# KiCad board data-center-rdimm-ddr5-tester.kicad_pcb (continued)
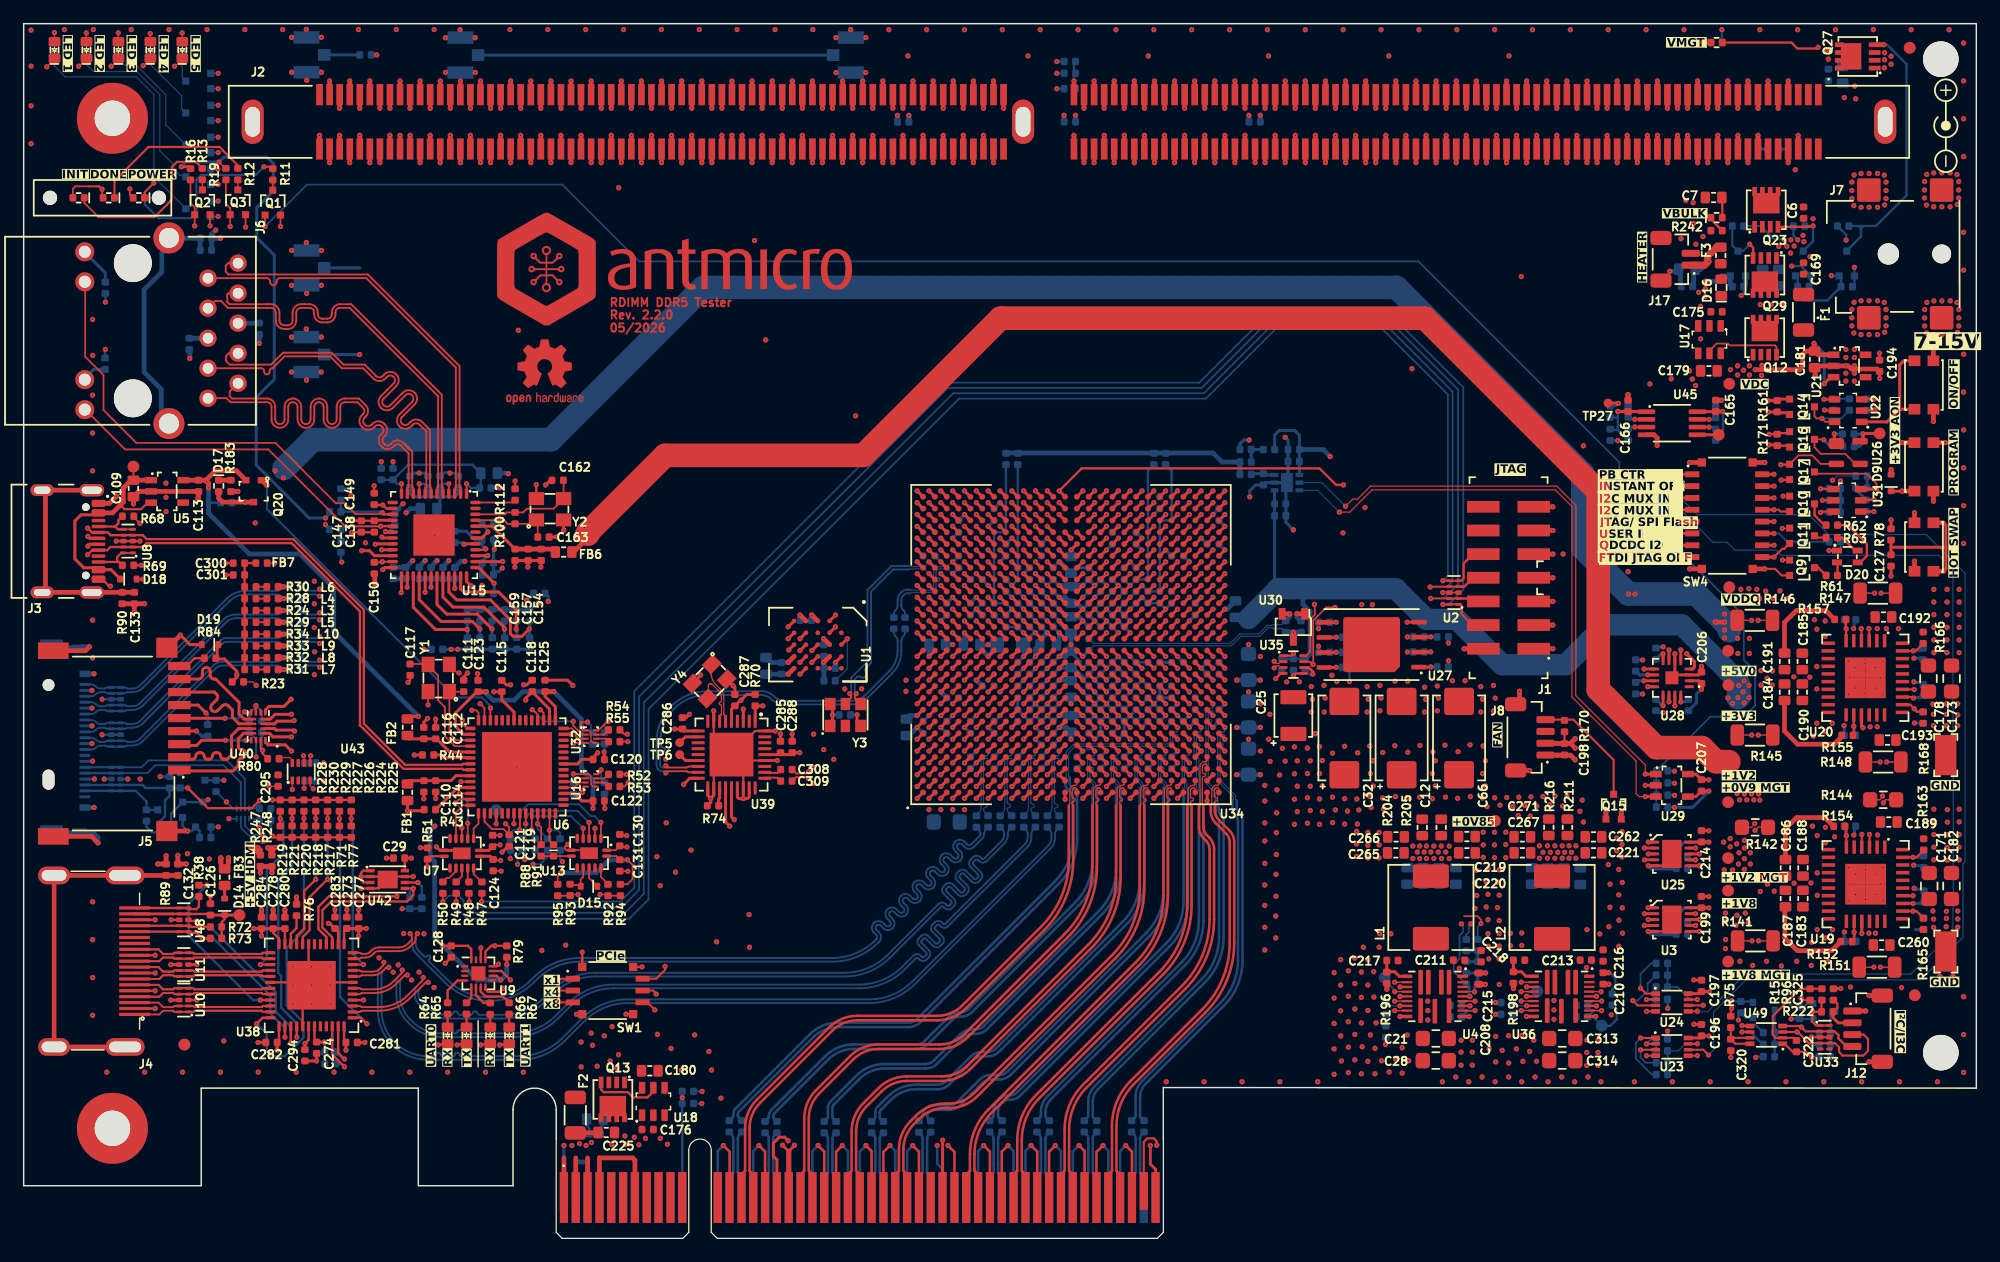
[diagram p0: board, top side]
## Routing (per net, layer and track width the routed paths; a pad name or vN(x,y) marks a point on that pad's centre or on a via; arc(x,y) is an arc through that point) (continued)
/FPGA MGT Interface/PCIE.RXD7_N: length 39.9
  Top w0.1: 100.69,36.6 100.63,36.66 arc(100.61,36.69) 100.6,36.73 100.6,36.82 arc(100.64,36.92) 100.73,36.96 arc(100.83,37) 100.87,37.09 100.87,37.12 arc(100.83,37.22) 100.73,37.26 arc(100.64,37.3) 100.6,37.39 100.6,37.92 arc(100.61,37.96) 100.63,37.99 100.71,38.07 arc(100.74,38.09) 100.78,38.1 100.86,38.1 arc(100.9,38.09) 100.93,38.07 100.97,38.03 arc(100.99,38) 101,37.96 U34.AF1
  Top w0.22: J10.B46 92.65,5.4 92.34,5.71 92.34,9.5 arc(92.72,11.41) 93.8,13.04 99.84,19.07 arc(101.65,21.79) 102.29,24.99 102.29,33.51 arc(102.18,34.04) 101.89,34.48 100.98,35.39 arc(100.77,35.71) 100.69,36.09 100.69,36.6
/FPGA MGT Interface/PCIE.RXD7_P: length 39.9
  Top w0.1: U34.AF2 101,38.44 arc(100.99,38.4) 100.97,38.37 100.93,38.33 arc(100.9,38.31) 100.86,38.3 100.74,38.3 arc(100.66,38.28) 100.6,38.24 100.46,38.1 arc(100.42,38.04) 100.4,37.96 100.4,36.73 arc(100.39,36.69) 100.37,36.66 100.31,36.6
  Top w0.22: 100.31,36.6 100.31,36.09 arc(100.42,35.56) 100.71,35.12 101.62,34.21 arc(101.83,33.89) 101.91,33.51 101.91,24.99 arc(101.3,21.93) 99.57,19.34 93.54,13.3 arc(92.37,11.56) 91.96,9.5 91.96,5.71 91.65,5.4 J10.B45
/FPGA MGT Interface/PCIE.TXD0_N: length 5.8
  Bottom w0.22: J10.A17 63.65,5.25 63.34,5.56 63.34,8.42 arc(63.38,8.64) 63.51,8.83 63.67,8.99
/FPGA MGT Interface/PCIE.TXD0_P: length 5.8
  Bottom w0.22: 62.62,8.99 62.79,8.82 arc(62.92,8.64) 62.96,8.42 62.96,5.56 62.65,5.25 J10.A16
/FPGA MGT Interface/PCIE.TXD1_N: length 5.8
  Bottom w0.22: 68.67,8.99 68.51,8.83 arc(68.38,8.64) 68.34,8.42 68.34,5.56 68.65,5.25 J10.A22
/FPGA MGT Interface/PCIE.TXD1_P: length 5.8
  Bottom w0.22: 67.62,8.99 67.79,8.82 arc(67.92,8.64) 67.96,8.42 67.96,5.56 67.65,5.25 J10.A21
/FPGA MGT Interface/PCIE.TXD2_N: length 5.8
  Bottom w0.22: J10.A26 72.65,5.25 72.34,5.56 72.34,8.42 arc(72.38,8.64) 72.51,8.83 72.67,8.99
/FPGA MGT Interface/PCIE.TXD2_P: length 5.8
  Bottom w0.22: J10.A25 71.65,5.25 71.96,5.56 71.96,8.42 arc(71.92,8.64) 71.79,8.82 71.62,8.99
/FPGA MGT Interface/PCIE.TXD3_N: length 5.8
  Bottom w0.22: J10.A30 76.65,5.25 76.34,5.56 76.34,8.42 arc(76.38,8.64) 76.51,8.83 76.67,8.99
/FPGA MGT Interface/PCIE.TXD3_P: length 5.8
  Bottom w0.22: 75.62,8.99 75.79,8.82 arc(75.92,8.64) 75.96,8.42 75.96,5.56 75.65,5.25 J10.A29
/FPGA MGT Interface/PCIE.TXD4_N: length 5.8
  Bottom w0.22: J10.A36 82.65,5.25 82.34,5.56 82.34,8.42 arc(82.38,8.64) 82.51,8.83 C257.1
/FPGA MGT Interface/PCIE.TXD4_P: length 5.8
  Bottom w0.22: C256.1 81.79,8.82 arc(81.92,8.64) 81.96,8.42 81.96,5.56 81.65,5.25 J10.A35
/FPGA MGT Interface/PCIE.TXD5_N: length 5.8
  Bottom w0.22: C250.2 86.51,8.83 arc(86.38,8.64) 86.34,8.42 86.34,5.56 86.65,5.25 J10.A40
/FPGA MGT Interface/PCIE.TXD5_P: length 5.8
  Bottom w0.22: J10.A39 85.65,5.25 85.96,5.56 85.96,8.42 arc(85.92,8.64) 85.79,8.82 C255.1
/FPGA MGT Interface/PCIE.TXD6_N: length 5.8
  Bottom w0.22: C254.1 90.51,8.83 arc(90.38,8.64) 90.34,8.42 90.34,5.56 90.65,5.25 J10.A44
/FPGA MGT Interface/PCIE.TXD6_P: length 5.8
  Bottom w0.22: J10.A43 89.65,5.25 89.96,5.56 89.96,8.42 arc(89.92,8.64) 89.79,8.82 C253.1
/FPGA MGT Interface/PCIE.TXD7_N: length 5.8
  Bottom w0.22: J10.A48 94.65,5.25 94.34,5.56 94.34,8.42 arc(94.38,8.64) 94.51,8.83 C252.1
/FPGA MGT Interface/PCIE.TXD7_P: length 5.8
  Bottom w0.22: J10.A47 93.65,5.25 93.96,5.56 93.96,8.42 arc(93.92,8.64) 93.79,8.82 C251.1
/FPGA MGT Interface/XA: length 5.2
  Top w0.1: Y4.1 58.11,48.51 58.09,48.49 58.09,48.47 58.08,48.46 58.08,48.45 58.08,47.78 58.09,47.63 58.12,47.48 58.17,47.34 58.22,47.2 58.29,47.07 58.38,46.94 58.47,46.83 58.86,46.44 arc(59.08,46.11) 59.16,45.71 59.16,44.38 59.16,44.35 59.17,44.33 59.17,44.3 59.18,44.28 59.2,44.26 59.21,44.24 59.23,44.22 59.24,44.2 59.26,44.18 59.27,44.16 59.29,44.14 59.3,44.12 59.3,44.09 59.31,44.07 59.31,44.04 U39.6
/FPGA MGT Interface/XB: length 5.2
  Top w0.1: Y4.3 57.82,45.68 57.83,45.69 57.83,45.7 57.84,45.71 57.84,45.72 57.85,45.73 57.85,45.74 57.85,45.75 57.85,46.71 57.85,46.73 57.86,46.74 57.86,46.76 57.87,46.78 57.88,46.8 57.89,46.82 57.9,46.83 57.92,46.85 57.94,46.86 57.95,46.87 57.97,46.88 57.98,46.89 58,46.89 58.02,46.9 58.04,46.9 58.05,46.9 58.07,46.9 58.09,46.89 58.1,46.89 58.12,46.88 58.14,46.87 58.15,46.86 58.16,46.85 58.69,46.33 arc(58.89,46.03) 58.96,45.67 58.96,45.42 arc(58.93,45.35) 58.86,45.32 arc(58.8,45.3) 58.77,45.23 58.77,45.22 arc(58.8,45.15) 58.86,45.12 arc(58.93,45.1) 58.96,45.03 58.96,44.38 58.96,44.35 58.95,44.33 58.95,44.3 58.94,44.28 58.92,44.26 58.91,44.24 58.89,44.22 58.88,44.2 58.86,44.18 58.85,44.16 58.83,44.14 58.82,44.12 58.82,44.09 58.81,44.07 58.81,44.04 U39.7
/HDMI + SD Card/EQ_SEL: length 12.5
  Top w0.201: v1(24.68,30.35) 23.71,29.37 23.71,26.2 23.08,25.57 U38.21 ; R227.1 R218.2
  Bottom w0.201: v1(24.68,35.49) v1(24.68,30.35)
/HDMI + SD Card/HDMI0.HPD: length 6.4
  Top w0.201: 13.92,27.83 13.92,27.83 14.6,27.83 14.81,28.04 R38.2 ; 9.38,27.93 13.92,27.93
/HDMI + SD Card/HDMI_5V: length 0.9
  Top w0.256: D14.2 16.98,29.65
/HDMI + SD Card/HDMI_CONN_5V: length 11
  Top w0.201: U48.4 13.92,27.42 15.69,27.42 15.78,27.33 ; 12.62,27.43 12.62,27.43 U48.7 ; D14.1 16.98,26.98 16.74,26.74 R72.2 R73.2
  Top w0.256: 9.38,27.43 12.62,27.43 ; TP2.1 D14.1 15.78,27.33 ; U48.7 U48.4
/HDMI + SD Card/HDMI_IN_5V: length 23.3
  Top w0.201: v1(13.86,38.08) 15.57,36.37 19.28,36.37 v1(19.93,37.02)
  Bottom w0.15: U44.8 19.94,36.34 ; v1(19.93,37.02) C93.1
  Bottom w0.201: U47.4 10.05,38.33 10.3,38.08 R85.2 ; R81.2 10.38,34.8 10.85,34.33 R82.2 11.5,35.24 11.94,35.68 11.94,37.02 12.33,37.41 R85.2 ; v1(13.86,38.08) Q21.1 R85.2 ; 8.19,38.33 8.19,38.33 J11.3
/HDMI + SD Card/HDMI_IN_5V.SCL: length 16.3
  Bottom w0.15: U44.6 18.35,38.54 16.89,40 11.12,40 10.45,39.33 U47.2
  Bottom w0.201: J11.5 8.19,39.33
/HDMI + SD Card/HDMI_IN_5V.SDA: length 16.9
  Bottom w0.15: U44.7 18.7,38.87 17.16,40.41 10.55,40.41 9.97,39.83 U47.1
  Bottom w0.201: J11.6 8.19,39.83
/HDMI + SD Card/HDMI_IN_HPD_CONN: length 7.2
  Bottom w0.201: 8.19,37.83 8.19,37.83 J11.2 ; U47.5 9.48,37.83 10.38,36.93 R81.1 Q18.3
/HDMI + SD Card/HDMI_OUT_C.SCL: length 19.3
  Top w0.201: 13.92,25.83 14.62,25.83 v1(15.09,25.36) R73.1 ; 9.38,25.93 U48.1 ; U38.38 v1(22.08,17.01)
  Bottom w0.201: v1(15.09,25.36) 16.03,25.36 20.85,20.55 20.85,19.01 22.08,17.78 v1(22.08,17.01)
/HDMI + SD Card/HDMI_OUT_C.SDA: length 21.1
  Top w0.201: 9.38,26.43 U48.2 ; U38.39 v1(22.58,16.52) ; 13.92,26.33 R72.1
  Bottom w0.201: v1(22.58,16.52) 22.58,17.88 21.31,19.15 21.31,20.8 15.78,26.33 v1(15.09,26.33)
/HDMI + SD Card/HDMI_OUT_CONN_CLK_N: length 23.5
  Top w0.15: 13.15,24.15 13.92,24.15 13.15,24.15
  Top w0.16: 20.21,24.15 U38.25 20.21,24.15 ; 20.21,24.15 20.12,24.05 ; 20.21,24.15 20.12,24.05 ; 11.4,24.43 9.38,24.43 11.4,24.43 ; 11.4,24.43 11.78,24.05 ; 11.4,24.43 11.78,24.05 ; 11.78,24.05 12.63,24.05 ; 11.78,24.05 12.63,24.05 ; 12.63,24.05 12.72,24.15 ; 12.63,24.05 12.72,24.15 ; 14.33,24.15 13.92,24.15 14.33,24.15 ; 14.33,24.15 14.42,24.05 ; 14.33,24.15 14.42,24.05 ; 14.42,24.05 20.12,24.05 ; 14.42,24.05 20.12,24.05 ; 12.72,24.15 13.15,24.15 12.72,24.15
/HDMI + SD Card/HDMI_OUT_CONN_CLK_P: length 23.4
  Top w0.15: 13.92,23.65 13.15,23.65 13.92,23.65
  Top w0.16: 11.46,23.43 9.38,23.43 11.46,23.43 ; 11.46,23.43 11.78,23.74 ; 11.46,23.43 11.78,23.74 ; 20.12,23.74 20.21,23.65 ; 20.12,23.74 14.42,23.74 ; 20.12,23.74 20.21,23.65 ; 20.12,23.74 14.42,23.74 ; 20.21,23.65 U38.26 20.21,23.65 ; 14.33,23.65 14.42,23.74 ; 14.33,23.65 13.92,23.65 14.33,23.65 ; 14.33,23.65 14.42,23.74 ; 11.78,23.74 12.64,23.74 ; 11.78,23.74 12.64,23.74 ; 12.64,23.74 12.73,23.65 ; 12.64,23.74 12.73,23.65 ; 12.73,23.65 13.15,23.65 12.73,23.65
/HDMI + SD Card/HDMI_OUT_CONN_D0_N: length 23.5
  Top w0.15: U11.9 U11.2 U11.9
  Top w0.16: 20.12,22.55 20.21,22.65 ; 20.12,22.55 20.21,22.65 ; 20.12,22.55 14.42,22.55 ; 20.12,22.55 14.42,22.55 ; 20.21,22.65 U38.28 20.21,22.65 ; 14.33,22.65 14.42,22.55 ; 14.33,22.65 U11.2 14.33,22.65 ; 14.33,22.65 14.42,22.55 ; 11.78,22.55 12.63,22.55 ; 11.78,22.55 11.4,22.93 ; 11.78,22.55 11.4,22.93 ; 11.78,22.55 12.63,22.55 ; 12.63,22.55 12.72,22.65 ; 12.63,22.55 12.72,22.65 ; 11.4,22.93 9.38,22.93 11.4,22.93 ; 12.72,22.65 U11.9 12.72,22.65
/HDMI + SD Card/HDMI_OUT_CONN_D0_P: length 23.4
  Top w0.15: U11.1 U11.10 U11.1
  Top w0.16: 11.46,21.93 9.38,21.93 11.46,21.93 ; 11.46,21.93 11.78,22.24 ; 11.46,21.93 11.78,22.24 ; 12.64,22.24 12.73,22.15 ; 12.64,22.24 11.78,22.24 ; 12.64,22.24 11.78,22.24 ; 12.64,22.24 12.73,22.15 ; 12.73,22.15 U11.10 12.73,22.15 ; 20.12,22.24 20.21,22.15 ; 20.12,22.24 14.42,22.24 ; 20.12,22.24 14.42,22.24 ; 20.12,22.24 20.21,22.15 ; 20.21,22.15 U38.29 20.21,22.15 ; 14.42,22.24 14.33,22.15 ; 14.42,22.24 14.33,22.15 ; 14.33,22.15 U11.1 14.33,22.15
/HDMI + SD Card/HDMI_OUT_CONN_D1_N: length 23.5
  Top w0.15: 13.15,21.15 13.92,21.15 13.15,21.15
  Top w0.16: 12.72,21.15 13.15,21.15 12.72,21.15 ; 12.72,21.15 12.63,21.05 ; 12.72,21.15 12.63,21.05 ; 20.21,21.15 U38.31 20.21,21.15 ; 20.21,21.15 20.12,21.05 ; 20.21,21.15 20.12,21.05 ; 14.33,21.15 14.42,21.05 ; 14.33,21.15 13.92,21.15 14.33,21.15 ; 14.33,21.15 14.42,21.05 ; 14.42,21.05 20.12,21.05 ; 14.42,21.05 20.12,21.05 ; 12.63,21.05 11.78,21.05 ; 12.63,21.05 11.78,21.05 ; 11.4,21.43 9.38,21.43 11.4,21.43 ; 11.4,21.43 11.78,21.05 ; 11.4,21.43 11.78,21.05
/HDMI + SD Card/HDMI_OUT_CONN_D1_P: length 23.4
  Top w0.15: 13.92,20.65 13.15,20.65 13.92,20.65
  Top w0.16: 14.33,20.65 13.92,20.65 14.33,20.65 ; 14.33,20.65 14.42,20.74 ; 14.33,20.65 14.42,20.74 ; 20.21,20.65 U38.32 20.21,20.65 ; 20.21,20.65 20.12,20.74 ; 20.21,20.65 20.12,20.74 ; 11.46,20.43 9.38,20.43 11.46,20.43 ; 11.46,20.43 11.78,20.74 ; 11.46,20.43 11.78,20.74 ; 12.64,20.74 12.73,20.65 ; 12.64,20.74 12.73,20.65 ; 12.64,20.74 11.78,20.74 ; 12.64,20.74 11.78,20.74 ; 12.73,20.65 13.15,20.65 12.73,20.65 ; 14.42,20.74 20.12,20.74 ; 14.42,20.74 20.12,20.74
/HDMI + SD Card/HDMI_OUT_CONN_D2_N: length 18.8
  Top w0.15: U10.9 U10.2
  Top w0.16: 14.42,19.55 20.12,19.55 ; 14.42,19.55 14.33,19.65 ; 14.42,19.55 14.33,19.65 ; 14.42,19.55 20.12,19.55 ; 20.12,19.55 20.21,19.65 ; 20.12,19.55 20.21,19.65 ; 20.21,19.65 U38.34 20.21,19.65 ; U10.9 12.72,19.65 12.63,19.55 11.78,19.55 11.4,19.93 9.38,19.93 ; 14.33,19.65 U10.2 14.33,19.65
/HDMI + SD Card/HDMI_OUT_CONN_D2_P: length 18.7
  Top w0.15: U10.1 U10.10
  Top w0.16: 20.21,19.15 U38.35 20.21,19.15 ; 20.21,19.15 20.12,19.24 ; 20.21,19.15 20.12,19.24 ; 14.42,19.24 20.12,19.24 ; 14.42,19.24 14.33,19.15 ; 14.42,19.24 20.12,19.24 ; 14.42,19.24 14.33,19.15 ; 14.33,19.15 U10.1 14.33,19.15 ; 9.38,18.93 11.46,18.93 11.78,19.24 12.64,19.24 12.73,19.15 U10.10
/HDMI + SD Card/HDMI_VDD: length 14.5
  Top w0.201: C283.1 26.58,25.93 U38.14 ; C281.1 27.08,16.72 U38.48 ; U38.37 21.58,16.72 C282.1 ; C278.1 21.09,25.84 21.58,25.35 U38.24 ; U38.23 C280.1
  Top w0.256: 25.79,26.68 25.83,26.68 ; C284.2 v1(20.1,25.57) ; C284.2 C280.1 ; C284.2 v1(19.45,26.19) ; v1(27.23,15.91) C281.1 ; v1(21.42,15.91) C282.1 ; v1(25.75,26.63) 25.88,26.63 C283.1
  Top w0.4: v1(20.98,30.92) 20.97,30.93 R248.1 R247.1 v1(20,30.9)
/HDMI + SD Card/I2C_EN/PIN: length 14.9
  Top w0.201: U38.10 v1(28.72,23.15) ; R225.1 R77.2
  Bottom w0.201: v1(28.72,23.15) 27.81,24.06 27.81,34.75 27.68,34.87 v1(27.68,35.49)
/HDMI + SD Card/PRE_SEL: length 12.7
  Top w0.201: R226.1 R217.2 ; v1(25.68,30.35) 25.66,30.35 24.16,28.85 24.16,26.05 23.58,25.47 U38.20
  Bottom w0.201: v1(25.68,35.49) v1(25.68,30.35)
/HDMI + SD Card/SD_CLK: length 6.3
  Top w0.182: 19.22,44.48 19.22,44.48 18.72,44.48 v1(18.68,44.52)
  Top w0.256: v1(17.02,43.97) 13.18,43.97 13.16,43.98
  Bottom w0.182: v1(18.68,44.52) 18.13,43.97 v1(17.02,43.97)
/HDMI + SD Card/SD_CMD: length 6.3
  Top w0.182: v1(18.79,42.11) 19.2,42.11 U40.13
  Top w0.256: v1(17.06,42.11) 15.05,42.11 14.61,41.67 13.28,41.67 13.16,41.78
  Bottom w0.256: v1(17.06,42.11) 18.79,42.11 v1(18.79,42.11)
/HDMI + SD Card/SD_DAT0: length 9.4
  Top w0.256: U40.10 18.2,43.5 18.2,43.5 17.64,44.06 17.64,44.67 17.28,45.03 arc(17.04,45.13) 16.79,45.03 16.4,44.64 arc(16.16,44.54) 15.91,44.64 arc(15.81,44.89) 15.91,45.13 16.3,45.52 16.29,45.52 arc(16.4,45.77) 16.3,46.01 16.12,46.19 13.16,46.19
/HDMI + SD Card/SD_DAT1: length 9.4
  Top w0.256: U40.9 18.62,43.9 18.2,44.32 18.2,45.32 16.23,47.29 16.08,47.29 arc(15.85,47.38) 15.75,47.61 15.75,47.94 arc(15.66,48.17) 15.43,48.27 arc(15.2,48.17) 15.11,47.94 15.11,47.61 arc(15.01,47.38) 14.78,47.29 13.16,47.29
/HDMI + SD Card/SD_DAT2: length 9.4
  Top w0.256: U40.12 18.59,42.7 18.14,42.25 18.14,41.61 arc(18.23,41.4) 18.44,41.31 arc(18.65,41.22) 18.74,41.01 18.74,40.91 arc(18.65,40.7) 18.44,40.61 arc(18.23,40.52) 18.14,40.31 18.14,39.97 17.69,39.52 13.23,39.52 13.16,39.59
/HDMI + SD Card/SD_DAT3: length 9.4
  Top w0.256: 13.16,40.69 13.34,40.51 14.27,40.51 arc(14.47,40.59) 14.55,40.79 arc(14.63,40.98) 14.82,41.06 14.97,41.06 arc(15.17,40.98) 15.25,40.79 arc(15.33,40.59) 15.52,40.51 15.67,40.51 arc(15.87,40.59) 15.95,40.79 arc(16.03,40.98) 16.22,41.06 16.37,41.06 arc(16.57,40.98) 16.65,40.79 arc(16.73,40.59) 16.92,40.51 17.2,40.51 17.57,40.88 17.57,42.51 18.16,43.1 U40.11
/HDMI + SD Card/SLEW_CTL: length 21.8
  Top w0.201: R230.1 R221.2 ; U38.40 v1(23.08,17.01)
  Bottom w0.201: v1(22.68,35.49) 22.68,31.47 21.51,30.3 21.51,22.44 21.76,22.2 21.76,19.5 23.08,18.18 v1(23.08,17.01)
/HDMI + SD Card/SWAP/POL: length 20.9
  Top w0.201: R224.1 R71.2 ; v1(29,18.15) 28.5,18.65 U38.1
  Bottom w0.201: v1(29,18.15) 26.73,20.41 26.73,35.44 v1(26.68,35.49)
/HDMI + SD Card/TX_TERM_CTL: length 29
  Top w0.201: R229.1 R220.2 ; U38.36 20.19,18.65 v1(19.69,18.15)
  Bottom w0.201: v1(23.68,35.49) 23.68,26.01 22.23,24.56 22.23,19.68 23.65,18.26 23.65,16.98 22.08,15.41 20.88,15.41 20.54,15.75 20.54,17.3 v1(19.69,18.15)
/HDMI + SD Card/~{HDMI_SEL}: length 15.3
  Top w0.201: U38.27 v1(20.01,23.15) ; R228.1 R219.2
  Bottom w0.201: v1(20.01,23.15) 20.55,23.69 20.55,31.15 21.95,32.55 21.95,35.22 v1(21.68,35.49)
/HyperRAM + QSPI Flash/IO0: length 1.5
  Top w0.1: 110.89,52.08 v1(110.9,52.09)
  Top w0.256: U27.5 110.89,52.08
  Bottom w0.256: v1(110.9,52.09) 110.38,52.09
/HyperRAM + QSPI Flash/IO1: length 1.5
  Top w0.256: v1(118.9,49.58) 118.88,49.56 U27.2
  Bottom w0.256: 118.38,49.58 v1(118.9,49.58)
/HyperRAM + QSPI Flash/IO2: length 2.1
  Top w0.256: 117.9,50.84 118.88,50.84 v1(118.9,50.85)
  Bottom w0.256: 118.38,50.85 119.43,50.85
/HyperRAM + QSPI Flash/IO3: length 2.1
  Top w0.256: 109.9,49.53 110.89,49.53 v1(110.9,49.55)
  Bottom w0.256: 110.38,49.55 111.42,49.55
/I^{2}C + I3C/I3C_EXT.SCL: length 13.3
  Top w0.182: 148.63,17.45 v1(149.85,17.45) 149.9,17.45 150.85,16.5 U33.4 U33.7 153.05,16.5 153.4,16.15 153.4,15.75 153.7,15.45 155.45,15.45 155.85,15.85 155.85,16.85 155.47,17.22 J12.3
  Bottom w0.182: R241.1 151,16.35 149.9,17.45 v1(149.85,17.45)
/I^{2}C + I3C/I3C_EXT.SDA: length 8.5
  Top w0.177: U33.2 U33.9
  Top w0.182: U33.2 150.57,17.5 v1(150.21,17.86) 150.12,17.95 148.63,17.95 ; 152.6,17.52 U33.9
  Top w0.201: U33.9 153.02,17.5 153.35,17.17 153.35,16.9 154.03,16.22 J12.4
  Bottom w0.182: v1(150.21,17.86) 150.57,17.5 151.61,17.5 151.72,17.39
/I^{2}C + I3C/PWR.SCL: length 184.7
  Top w0.1: v1(111.7,61.9) 112.3,62.5 112.7,62.5 113.8,63.6 129.55,63.6 131.15,62 131.15,45.9 137.03,40.02 v1(137.03,39.25)
  Top w0.114: v1(126.55,21.66) U36.6 ; v1(115.85,21.65) U4.6
  Top w0.177: U24.7 v1(141.42,20.19)
  Top w0.182: U19.4 155.32,34.15 v1(155.32,34.15)
  Top w0.256: U3.9 v1(141.27,27.45) ; SW4.7 v1(140,58.6) ; v1(140.52,49.42) 141.18,48.77 141.18,48.27 141.04,48.14 U28.4 ; U25.9 v1(141.27,33) ; v1(137.03,39.25) 137.03,39.25 U29.1
  In2.Cu w0.1: v1(157.4,51.55) 157.42,51.55 158.85,50.12 158.85,40.63 156.02,37.8 156.02,34.85 v1(155.32,34.15) ; v1(140,58.6) 139,57.6 139,51.75 137.15,49.9 137.15,49.08 137.18,49.06 137.18,48.9 140,48.9 v1(140.52,49.42) 140.52,47.72 137.62,44.82 137.62,39.84 v1(137.03,39.25) 136.45,38.68 136.45,37.05 137.05,36.45 137.82,36.45 v1(141.27,33) 140.75,32.48 140.75,31.4 141.27,30.88 v1(141.27,27.45) 140.85,27.03 140.85,23.3 141.8,22.35 141.8,20.58 v1(141.42,20.19) 138.78,20.19 137.03,21.94 126.83,21.94 v1(126.55,21.66)
  In2.Cu w0.114: v1(115.85,21.65) 115.87,21.64 120.99,21.64 122.24,22.89 125.31,22.89 v1(126.55,21.66)
  In4.Cu w0.1: v1(157.4,51.55) 157.8,51.95 157.8,55.07 156.65,56.22 140.62,56.22 139.62,57.22 139.62,58.22 v1(140,58.6)
  Bottom w0.1: v1(111.7,61.9) 109.7,63.9 U12.2
  Bottom w0.15: 138.91,23.25 138.91,21.25 139.74,21.25 140.8,20.19 v1(141.42,20.19)
/I^{2}C + I3C/PWR.SDA: length 174.6
  Top w0.1: v1(111.18,61.4) 112.05,61.4 113.93,63.28 129.42,63.28 130.83,61.87 130.83,45.77 136.25,40.35 136.25,37.6 136.5,37.35 v1(137.03,37.35)
  Top w0.177: v1(141.42,16.45) 141.42,16.44 U23.7
  Top w0.182: v1(155.92,51.55) 155.95,51.53 U20.3 ; U19.3 v1(155.97,34.15)
  Top w0.256: U25.8 v1(141.6,32.5) ; v1(140.02,49.75) U28.5 ; v1(137.03,37.35) 137.03,37.35 137.92,37.35 ; U3.8 v1(141.6,26.95)
  In2.Cu w0.1: v1(155.97,34.15) 155.97,33.7 155.58,33.3 154.07,33.3 153.52,33.85 153.52,40.85 154.82,42.15 156.42,42.15 158.45,44.18 158.45,49.03 v1(155.92,51.55) ; v1(140.03,49.75) 140.07,49.8 140.8,49.8 140.9,49.7 140.9,46.01 140.4,45.51 140.4,41.14 137.88,38.62 137.88,38.2 v1(137.03,37.35) 137.58,36.8 138.15,36.8 141.65,33.3 141.65,32.55 v1(141.6,32.5) 141.97,32.12 141.97,31.35 141.65,31.02 141.65,27 v1(141.6,26.95) 142.85,25.7 142.85,18.3 141.42,16.87 v1(141.42,16.45) 140.65,16.45 138.75,18.35 132.43,18.35 129.52,21.26 v1(127,21.26)
  In2.Cu w0.114: v1(127,21.26) 126.29,21.26 125.59,21.96 121.81,21.96 121.1,21.25 v1(116.3,21.25)
  In4.Cu w0.1: v1(140.03,49.75) 140.8,50.52 140.8,50.81 143.66,53.67 153.8,53.67 v1(155.92,51.55)
  Bottom w0.1: U12.3 109.33,63.25 v1(111.18,61.4) ; v1(141.42,16.45) 140.42,16.45 139.82,15.85 138.91,15.85
  Bottom w0.15: 138.91,15.85 138.91,13.85
/PCIe connector/PRSNT#1: length 28.8
  Top w0.177: 45.21,20.95 v1(45.21,20) 45.26,19.95 SW1.3 ; 45.21,20.95 45.21,21.76 45.4,21.95 SW1.1 ; 45.21,20.95 SW1.2
  In2.Cu w0.1: v1(45.65,7.85) 51.1,13.3 51.1,18.18 49.02,20.25 45.46,20.25 v1(45.21,20)
  Bottom w0.256: v1(45.65,7.85) 45.65,3.94
/PCIe connector/x1: length 34.8
  Top w0.177: SW1.6 53.45,21.95 54.2,22.7 v1(54.2,22.99)
  Top w0.256: v1(64.6,8.25) 64.3,8.55 63.85,8.55 63.35,8.05 63.35,6.95 63.65,6.65 63.65,3.94
  In2.Cu w0.1: v1(54.2,22.99) 54.19,22.99 51.52,20.32 51.52,12.35 53.87,10 62.85,10 v1(64.6,8.25)
/PCIe connector/x4: length 41.2
  Top w0.177: SW1.5 53.2,20.95 53.45,20.7 v1(53.45,20.65)
  Top w0.256: v1(77.65,8.3) 77.65,3.94
  In2.Cu w0.1: v1(53.45,20.65) 52.52,19.72 52.52,13.55 53.12,12.95 74.22,12.95 77.65,9.53 v1(77.65,8.3)
/PCIe connector/x8: length 54.7
  Top w0.1: SW1.4 52.7,19.95
  Top w0.177: 52.7,19.95 v1(53.34,19.31)
  Top w0.182: J10.B48 94.65,8.15 94.95,8.45 95.5,8.45 95.75,8.2 v1(95.75,7.87)
  In2.Cu w0.1: v1(95.75,7.87) 83.72,19.9 53.92,19.9 v1(53.34,19.31)
/Supply/DC-DC AUX, MGT/FB1: length 2.7
  Top w0.182: 154.5,25.09 154.67,25.26 v1(154.67,25.89) 154.67,26.8
  Bottom w0.256: v1(154.67,25.89) 154.7,25.86 154.7,25.19 154.81,25.08
/Supply/DC-DC AUX, MGT/FB2: length 2.7
  Top w0.182: 154.02,33.08 v1(154.02,34.04) 154.02,34.73 153.91,34.84
  Bottom w0.256: 153.84,34.85 153.95,34.74 153.95,34.11 v1(154.02,34.04)
/Supply/DC-DC AUX, MGT/FB3: length 3
  Top w0.182: 160.55,32.82 159.94,32.22 v1(159.64,32.22) 158.78,32.22
  Bottom w0.256: v1(159.64,32.22) 159.66,32.23 160.44,32.23 160.55,32.34
/Supply/DC-DC AUX, MGT/FB4: length 3.1
  Top w0.182: 160.52,27.08 159.93,27.67 v1(159.64,27.67) 158.78,27.67
  Bottom w0.182: v1(159.64,27.67) 159.97,27.67 160.55,27.09
/Supply/DC-DC AUX, MGT/MGTAVCC_local: length 0.7
  Top w0.1: NT3.2 158.22,37.08 R144.1
/Supply/DC-DC AUX, MGT/MGTAVCC_SEN_+: length 24.3
  Top w0.1: v1(157.15,36.82) 157.15,36.91 NT3.1
  Top w0.256: v1(137.28,33.5) 137.28,33.5 U25.1
  In4.Cu w0.1: v1(157.15,36.82) 157.32,37 157.61,37 157.73,36.88 157.73,36.49 157.23,36 148.09,36 147.59,36.5 141.76,36.5 138.56,33.3 137.48,33.3 v1(137.28,33.5)
/Supply/DC-DC AUX, MGT/MGTAVCC_SEN_-: length 25.7
  Top w0.1: v1(157.08,37.4) 157.08,37.31 156.85,37.08
  Top w0.256: U25.2 v1(136.95,33)
  In4.Cu w0.1: v1(136.95,33) 137.3,33 137.4,33.1 138.64,33.1 141.84,36.3 147.51,36.3 148.01,35.8 157.32,35.8 157.93,36.41 157.93,36.96 157.69,37.2 157.28,37.2 v1(157.08,37.4)
/Supply/DC-DC AUX, MGT/MGTAVCCAUX_local: length 0.8
  Top w0.1: NT4.2 158.1,22.92 R151.1
/Supply/DC-DC AUX, MGT/MGTAVCCAUX_SEN_+: length 23.8
  Top w0.256: v1(137.28,26.95) 137.28,26.95 U3.3
  In4.Cu w0.1: v1(156.9,22.93) 156.72,23.1 156.72,23.49 156.27,23.95 155.28,23.95 153.85,22.52 141.7,22.52 139.61,24.61 139.61,25.43 138.29,26.75 137.48,26.75 v1(137.28,26.95)
/Supply/DC-DC AUX, MGT/MGTAVCCAUX_SEN_-: length 24
  Top w0.256: U3.4 v1(136.95,26.45)
  In4.Cu w0.1: v1(156.35,22.93) 156.52,23.1 156.52,23.41 156.18,23.75 155.37,23.75 153.93,22.32 141.61,22.32 139.41,24.52 139.41,25.35 138.21,26.55 137.4,26.55 137.3,26.45 v1(136.95,26.45)
/Supply/DC-DC AUX, MGT/MGTAVTT_local: length 7.4
  Top w0.4: C186.2 148.87,34.63 149.82,35.58 152.2,35.58 152.94,34.84
/Supply/DC-DC AUX, MGT/MGTAVTT_SEN_+: length 13.6
  Top w0.1: 146.55,34.75 v1(146.3,34.5)
  Top w0.256: v1(137.28,32.5) 137.28,32.5 U25.3
  In4.Cu w0.1: v1(137.28,32.5) 137.48,32.3 139.18,32.3 142.68,35.8 146.57,35.8 146.93,35.44 146.93,34.96 146.64,34.67 146.47,34.67 v1(146.3,34.5)
/Supply/DC-DC AUX, MGT/MGTAVTT_SEN_-: length 13.6
  Top w0.1: NT10.1 146.27,35.02 v1(146.27,35.07)
  Top w0.256: U25.4 v1(136.95,32)
  In4.Cu w0.1: v1(146.27,35.07) 146.47,34.87 146.56,34.87 146.72,35.04 146.72,35.36 146.48,35.6 142.77,35.6 139.27,32.1 137.43,32.1 137.33,32 v1(136.95,32)
/Supply/DC-DC AUX, MGT/QDCDC1_VCC: length 1.8
  Top w0.182: 158.79,28.31 v1(159.65,28.31)
  Bottom w0.256: v1(159.65,28.31) 159.67,28.33 160.48,28.33 160.57,28.42
/Supply/DC-DC IO/FB5: length 2.6
  Top w0.182: 154.59,42.53 154.64,42.58 154.64,44.25
  Bottom w0.182: 154.65,43.29 v1(154.64,43.29)
  Bottom w0.256: 154.81,42.53 154.67,42.66 154.67,43.26 v1(154.64,43.29)
/Supply/DC-DC IO/FB6: length 2.7
  Top w0.182: 153.99,52.33 153.99,51.54 v1(154.01,51.53) 153.99,51.52 153.99,50.53
  Bottom w0.182: 153.99,51.54 v1(154.01,51.53)
  Bottom w0.256: v1(154.01,51.53) 153.92,51.61 153.92,52.19 153.81,52.3
/Supply/DC-DC IO/FB7: length 2.9
  Top w0.182: 160.51,50.29 159.88,49.67 v1(159.67,49.67) U20.31
  Bottom w0.256: 160.5,49.89 160.34,49.73 159.73,49.73 v1(159.67,49.67)
/Supply/DC-DC IO/FB8: length 2.9
  Top w0.182: 158.76,45.12 159.42,45.12 v1(159.76,44.78) 160.02,44.51 160.51,44.51
  Bottom w0.182: v1(159.76,44.78) 160.01,44.53 160.49,44.53 160.51,44.51
/Supply/DC-DC IO/QDCDC2_VCC: length 1.9
  Top w0.182: 158.76,45.77 159.61,45.77 v1(159.69,45.68)
  Bottom w0.256: v1(159.69,45.68) 159.74,45.73 160.38,45.73 160.52,45.87
/Supply/DC-DC VCCINT/I_{SUM}: length 11.8
  In6.Cu w0.1: v1(122.22,19.65) 122.83,19.65 124.22,18.26 128.13,18.26 128.76,18.89 132.15,18.89 v1(132.91,19.65)
/Supply/DC-DC VCCINT/PASS0: length 10.6
  In2.Cu w0.114: v1(116.3,19.65) 120.69,19.65 121.97,18.37 123.8,18.37 v1(124.37,18.94)
  Bottom w0.114: v1(116.3,19.65) 115.34,19.65 R186.2
  Bottom w0.4: v1(124.37,18.94) R181.1
/Supply/DC-DC VCCINT/PASS1: length 1.3
  Bottom w0.114: R185.1 126.08,19.66 v1(127,19.66)
/Supply/DC-DC VCCINT/PWR.~{ALT}1: length 2.6
  Top w0.114: v1(115.85,20.85) U4.8
  Bottom w0.15: TP10.1 115,21.82 115.85,20.97 v1(115.85,20.85)
/Supply/DC-DC VCCINT/PWR.~{ALT}2: length 2.4
  Top w0.114: v1(126.55,20.86) U36.8
  Bottom w0.114: v1(126.55,20.86) 127.86,20.86 TP25.1
/Supply/DC-DC VCCINT/SET: length 12.7
  Top w0.114: v1(127,18.76) U36.13 ; v1(116.3,18.75) U4.13
  In2.Cu w0.1: v1(127,18.76) 126.05,17.81 120.88,17.81 120.59,18.1 117.68,18.1 117.02,18.75 v1(116.3,18.75)
/Supply/DC-DC VCCINT/TAKE0: length 14.4
  Top w0.114: v1(115.85,19.25) U4.12
  In2.Cu w0.1: v1(124.37,19.94) 124.75,19.55 124.75,18.73 124.1,18.07 121.3,18.07 120.54,18.84 117.46,18.84 117.05,19.25 v1(115.85,19.25)
  Bottom w0.114: v1(115.85,19.25) 115.42,19.25 R186.1 R188.2
  Bottom w0.4: v1(124.37,19.94) R185.2
/Supply/DC-DC VCCINT/TAKE1: length 1.9
  Top w0.114: v1(126.55,19.26) U36.12
  Bottom w0.114: R181.2 126.11,19.26 v1(126.55,19.26)
/Supply/DC-DC VCCINT/V_{0SNS+}: length 16.8
  Top w0.1: U36.22 133.28,20.86 v1(133.29,20.85) ; U4.22 122.59,20.85 v1(122.6,20.84)
  In4.Cu w0.1: v1(133.29,20.85) 133.06,20.85 131.57,22.34 126.28,22.34 124.63,20.69 122.75,20.69 v1(122.6,20.84)
  Bottom w0.256: v1(122.6,20.84) 122.6,21.22 R202.2 122.87,22.43 122.86,22.44 121.88,22.44
/Supply/DC-DC VCCINT/V_{CC}: length 31.5
  Top w0.4: v1(125.89,21.12) 125.89,21.56 R198.2 ; 122.75,22.44 123.53,22.44 v1(123.53,22.44) ; C210.2 v1(133.95,22.45) ; v1(115.19,21.06) 115.19,21.56
  In6.Cu w0.4: v1(133.95,22.45) 133.57,22.08 131.57,22.08 131.22,22.44 125.9,22.44 ; 125.9,22.44 122.24,22.44 121.71,21.91 116.66,21.91 116.29,22.27 115.53,22.27 115.19,21.94 v1(115.19,21.06) 115.19,17.56 115.07,17.44 v1(115.07,16.39) ; 125.9,22.44 125.89,22.43 v1(125.89,21.12)
  Bottom w0.114: 115.07,16.96 R188.1
  Bottom w0.182: v1(115.07,16.39) 115.07,16.96
  Bottom w0.198: v1(133.95,22.45) 134.02,22.45 134.5,21.97 134.5,21.32 134.25,21.07 R252.2
